# Altium PCB motherboard.PcbDoc (part 1 of 2)
Units mm, origin at the board's own origin, x right, y up, seen from the top; angles counter-clockwise.
Board outline 107.57 x 80.64 mm, 2 copper layers (Top Layer, Bottom Layer); 76 components, 68 nets, 352 pads, 475 vias.
Unrouted connection lines stored in the file: 17.
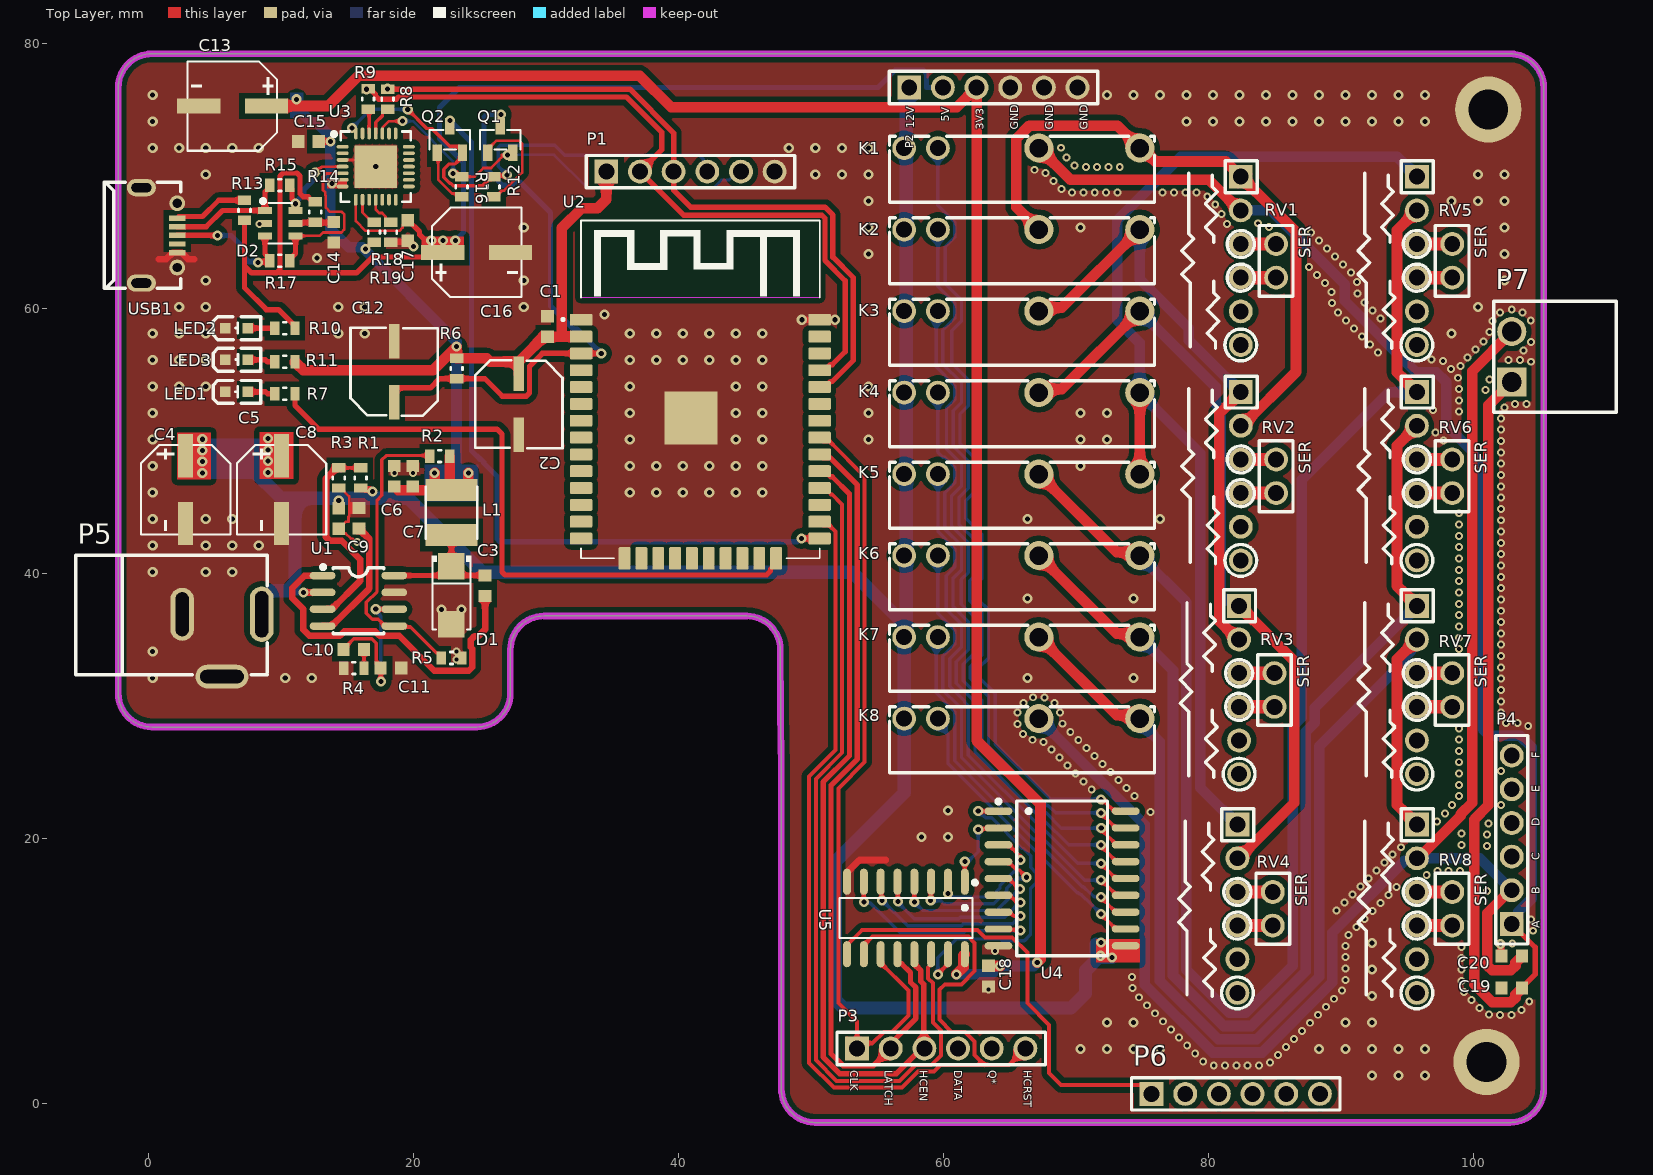
[diagram p0: Top Layer view]
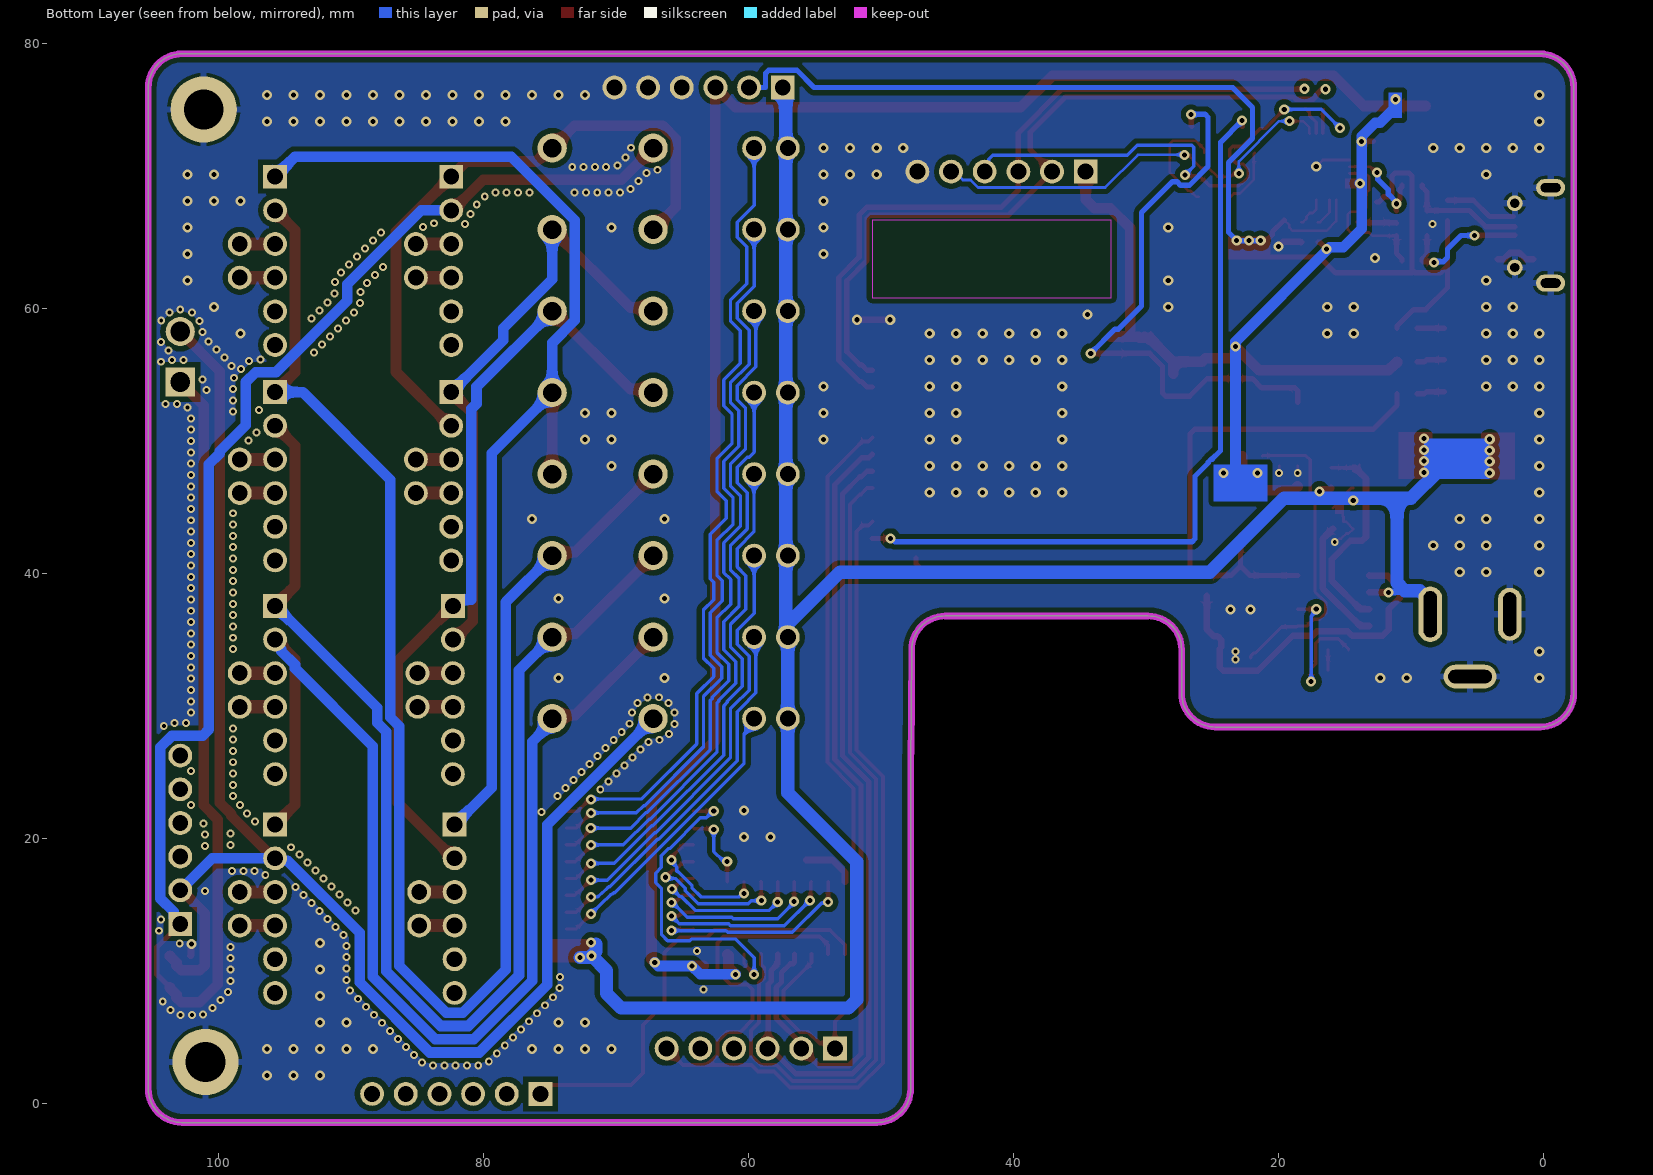
[diagram p1: Bottom Layer view, seen from below]

## Layer stack, top to bottom
Top Solder: solder mask 0.0102, Solder Resist, Dk 3.5
Top Layer: signal copper 0.0356
Dielectric 1: dielectric 0.32, FR-4, Dk 4.8
Bottom Layer: signal copper 0.0356
Bottom Solder: solder mask 0.0102, Solder Resist, Dk 3.5

## Board outline
37.211,36.83 45.135,36.83 cw(c45.135,34.29) 47.675,34.29 47.689,29.675 47.752,25.273 47.752,1.143 ccw(c50.292,1.143) 50.292,-1.397 102.743,-1.397 ccw(c102.743,1.143) 105.283,1.143 105.283,76.708 ccw(c102.743,76.708) 102.743,79.248 0.254,79.248 ccw(c0.254,76.708) -2.286,76.708 -2.286,30.988 ccw(c0.254,30.988) 0.254,28.448 13.843,28.448 24.765,28.448 ccw(c24.765,30.988) 27.305,30.988 27.305,34.29 cw(c29.845,34.29) 29.845,36.83

## Design rules (kind name [scope] priority, off if disabled: settings)
Clearance Clearance_1 [InPoly] p1: gap=0.4 ignorepadtopadclearanceinfootprint=FALSE
Clearance [All] p2: gap=0.2 ignorepadtopadclearanceinfootprint=FALSE
ComponentClearance [All] p1: gap=0.2 collisioncheckmode=3 verticalgap=0.2 showdistances=FALSE
HoleSize [All] p1: absolutevalues=TRUE maxlimit=5 minlimit=0.025 maxpercent=80.000 minpercent=20.000
MinimumSolderMaskSliver [All] p1: minsoldermaskwidth=0.1
PolygonConnect PolygonConnect_3 [All vs IsNamedPolygon('TOP_GND')] p1: connectstyle=Direct reliefconductorwidth=0.254 reliefentries=4 polygonreliefangle="90 Angle" airgapwidth=0.254
PolygonConnect PolygonConnect_2 [All vs IsNamedPolygon('TOP_GND')] p2: connectstyle=Relief reliefconductorwidth=0.254 reliefentries=4 polygonreliefangle="90 Angle" airgapwidth=0.254
PolygonConnect PolygonConnect_1 [All vs IsNamedPolygon('TOP_GND')] p3: connectstyle=Direct reliefconductorwidth=0.254 reliefentries=4 polygonreliefangle="90 Angle" airgapwidth=0.254
PolygonConnect PolygonConnect_Power [InComponent('P1')+InComponent('P2')+InComponent('Q3')+InComponent('Q4')+InComponent('P3')] p4: connectstyle=Direct reliefconductorwidth=0.254 reliefentries=4 polygonreliefangle="90 Angle" airgapwidth=0.254
PolygonConnect PolygonConnect_Via [(ObjectKind = 'Via')] p5: connectstyle=Direct reliefconductorwidth=0.254 reliefentries=4 polygonreliefangle="90 Angle" airgapwidth=0.254
PolygonConnect [All] p6: connectstyle=Relief reliefconductorwidth=0.5 reliefentries=4 polygonreliefangle="90 Angle" airgapwidth=0.254
RoutingVias [All] p1: holewidth=0.3 width=0.6 viastyle="Through Hole" minholewidth=0.3 minwidth=0.6 maxholewidth=5 maxwidth=7
SilkToSilkClearance [All] p1: silktosilkclearance=0.1
SilkToSolderMaskClearance [IsPad] p1: minsilkscreentomaskgap=0.1 clearancetoexposedcopper=TRUE
SolderMaskExpansion [All] p1: expansion=0.102 istentingtop=FALSE
Width [All] p1: maxlimit=2 minlimit=0.2 preferedwidth=0.3
25 further rules are at their usual default settings.

## Components (designator, comment, footprint, x,y, rotation, side; value= is the part's Value field where it differs from the comment)
C1 "100nF" CAP_0603 30.099,58.674 r90 top
C2 "22uF 63V" "CAP SMD 6.3X7.7" 27.94,52.818 r270 top
C3 "0.1uF" CAP_0603_3D 25.4,39.116 r270 top
C4 "4.7uF" CAP-SMD_BD6.3-L6.6-W6.6-LS7.2-R-RD -0.508,42.941 r270 top
C5 "22uF 63V" CAP-SMD_BD6.3-L6.6-W6.6-LS7.2-R-RD 6.731,42.941 r270 top
C6 "47uF" CAP_0603_3D 18.542,47.371 r90 top
C7 "47uF" CAP_0603_3D 19.939,47.371 r90 top
C8 "0.01uF" CAP_0603_3D 14.351,44.183 r270 top
C9 "0.1uF" CAP_0603_3D 15.875,44.196 r90 top
C10 "1000pF" CAP_0603_3D 15.481,34.29 r0 top
C11 "47pF" CAP_0603_3D 18.288,32.893 r0 top
C12 "22uF 63V" "CAP SMD 6.3X7.7" 18.542,55.245 r90 top
C13 "4.7uF" CAP-SMD_BD6.3-L6.6-W6.6-LS7.2-R-RD 2.906,78.613 r180 top
C14 "100nF" CAP_0603_3D 13.97,65.786 r270 top
C15 "100nF" CAP_0603_3D 12.065,72.644 r180 top
C16 "4.7uF" CAP-SMD_BD6.3-L6.6-W6.6-LS7.2-R-RD 28.179,60.96 r0 top
C17 "100nF" CAP_0603_3D 19.558,65.913 r270 top
C18 "100nF" CAP_0603 63.373,9.652 r270 top
C19 "100nF" CAP_0603 102.87,8.763 r180 top
C20 "100nF" CAP_0603 102.87,11.176 r180 top
D1 "B340A" SMA_L4.3-W2.6-LS5.2-RD 24.384,41.316 r270 top
D2 "USBLC6-2SC6_C2827654" SOT-23-6_L2.9-W1.6-P0.95-LS2.8-BL 8.792,65.064 r270 top
K1 "HF49FD-012-1H12" RELAY-TH_HF49FD-0XX-1H12 67.31,72.136 r0 top
K2 "HF49FD-012-1H12" RELAY-TH_HF49FD-0XX-1H12 67.31,65.986 r0 top
K3 "HF49FD-012-1H12" RELAY-TH_HF49FD-0XX-1H12 67.31,59.835 r0 top
K4 "HF49FD-012-1H12" RELAY-TH_HF49FD-0XX-1H12 67.31,53.685 r0 top
K5 "HF49FD-012-1H12" RELAY-TH_HF49FD-0XX-1H12 67.31,47.534 r0 top
K6 "HF49FD-012-1H12" RELAY-TH_HF49FD-0XX-1H12 67.31,41.384 r0 top
K7 "HF49FD-012-1H12" RELAY-TH_HF49FD-0XX-1H12 67.31,35.233 r0 top
K8 "HF49FD-012-1H12" RELAY-TH_HF49FD-0XX-1H12 67.31,29.083 r0 top
L1 "6.8mH" L_4018 22.86,44.626 r90 top
LED1 "BL-HJC36A-AV-TRB" LED0603-RD_ORANGE 8.42,52.849 r0 top
LED2 "BL-HJC36A-AV-TRB" LED0603-RD_ORANGE 8.42,57.658 r0 top
LED3 "BL-HJC36A-AV-TRB" LED0603-RD_ORANGE 8.422,55.272 r0 top
P1 "PROG" HDR1X6 33.278,69.519 r0 top
P2 "POWER" HDR1X6 56.138,75.869 r0 top
P3 "SHIFTREG" HDR1X6 52.201,3.352 r0 top
P4 "RESISTOR" HDR1X6 103.709,12.323 r90 top
P5 "DC-005-5A-2.0" DC-IN-TH_DC-005-5A-2.0 8.969,32.319 r0 top
P6 "REG_IO" HDR1X6 74.426,-0.077 r0 top
P7 "WJ15EDGRC-3.81-2P" CONN-TH_2P-P3.81_WJ15EDGRC-3.81-2P 101.981,52.451 r90 top
Q1 "SS8050" SOT-23-3_L2.9-W1.3-P1.90-LS2.4-BR 26.67,72.517 r270 top
Q2 "SS8050" SOT-23-3_L2.9-W1.3-P1.90-LS2.4-BR 22.86,72.517 r270 top
R1 "Res1" R0603 16.002,47.244 r90 top
R2 "Res1" R0603 21.971,48.895 r180 top
R3 "Res1" R0603 14.351,47.244 r270 top
R4 "Res1" R0603 15.494,32.893 r180 top
R5 "Res1" R0603 22.86,33.655 r0 top
R6 "Res1" R0603 23.241,55.499 r270 top
R7 "Res1" R0603 10.287,53.594 r0 top
R8 "Res1" R0603 18.035,75.824 r270 top
R9 "Res1" R0603 16.567,75.84 r270 top
R10 "Res1" R0603 10.287,58.547 r0 top
R11 "Res1" R0603 10.287,56.007 r0 top
R12 "Res1" R0603 26.035,69.215 r90 top
R13 "Res1" R0603 7.239,67.437 r90 top
R14 "Res1" R0603 12.573,67.31 r270 top
R15 "Res1" R0603 9.906,69.342 r0 top
R16 "Res1" R0603 23.622,69.215 r90 top
R17 "Res1" R0603 9.906,63.627 r0 top
R18 "Res1" R0603 17.018,65.786 r90 top
R19 "Res1" R0603 18.288,65.786 r90 top
RV1 "RV" RES_PLACEHOLDER 83.693,70.739 r90 top
RV2 "RV" RES_PLACEHOLDER 83.693,54.483 r90 top
RV3 "RV" RES_PLACEHOLDER 83.566,38.354 r90 top
RV4 "RV" RES_PLACEHOLDER 83.439,21.844 r90 top
RV5 "RV" RES_PLACEHOLDER 96.982,70.739 r90 top
RV6 "RV" RES_PLACEHOLDER 96.982,54.483 r90 top
RV7 "RV" RES_PLACEHOLDER 96.982,38.354 r90 top
RV8 "RV" RES_PLACEHOLDER 96.982,21.844 r90 top
U1 "TPS54331DR" SOIC-8_L5.0-W4.0-P1.27-LS6.0-BL 17.615,36.576 r270 top
U2 "ESP32" ESP32_WROOM 41.622,53.086 r0 top
U3 "CP2102-GMR" WQFN-28_L5.0-W5.0-P0.50-BL-EP3.2 14.732,68.199 r270 top
U4 "ULN2803ADWR" SOIC-18_L11.6-W7.5-P1.27-LS10.3-BL 69.189,13.081 r270 top
U5 "74HCT595D,118" SOIC-16_L9.9-W3.9-P1.27-LS6.0-BL 51.943,15.563 r180 top
USB1 "micro USBFemale" MICRO-USB-SMD_5P-P0.65-H-F_C10418 -2.888,61.638 r270 top

## Footprints (in the part's own frame and the unit in brackets; to place one, negate y for a bottom-side part, rotate by r counter-clockwise, add the part's x,y. Pads: shape width x height; smd on the part's side, far side on the other; paste and mask are expansions set on the pad)
"CAP SMD 6.3X7.7" [mm]
  rect 2.6x0.8 smd: 1(-2.3,0) 2(2.3,0)
  silkscreen extent -3.3,-3.28 3.33,3.3, body extent -3.42,-3.26 3.58,3.34, height 7.05
CAP-SMD_BD6.3-L6.6-W6.6-LS7.2-R-RD [mm]
  rect 3.26x1.15 smd: 1(-5.984,3.302) 2(-0.874,3.302)
  silkscreen extent -6.79,-0.07 -0.04,6.68, body extent -6.67,0 0.32,6.6, height 7.05
CAP_0603 [mm]
  rect 0.92x0.97 smd: 1(-0.775,0) 2(0.775,0)
  body extent -0.87,-0.44 0.87,0.51, height 0.87
CAP_0603_3D [mm]
  rect 0.92x0.97 smd: 1(-0.775,0) 2(0.775,0)
  body extent -0.8,-0.45 0.8,0.45, height 0.79
CONN-TH_2P-P3.81_WJ15EDGRC-3.81-2P [mm]
  rect 2.2x2.2 hole 1.5: 1(2.032,-0.889)
  round 2.2 hole 1.5: 2(5.842,-0.889)
  silkscreen extent -0.25,-8.77 8.13,0.46, body extent -0.32,-8.66 8.18,0.49, height 7.15
DC-IN-TH_DC-005-5A-2.0 [mm]
  oval 1.8x4.2 hole 1 slot 3.5 at 90 deg: 1(-0.429,4.638)
  oval 1.8x4 hole 1 slot 3.3 at 90 deg: 2(-6.429,4.638)
  oval 4x1.8 hole 1 slot 3.3 at 0 deg: 3(-3.429,-0.066)
  silkscreen extent -14.46,0.08 -0.03,9.09, body extent -14.44,-0.13 -0.04,9.17, height 11.02
ESP32_WROOM [mm]
  rrect22% 1.7x0.9 smd: 0(-8.983,6.096) 1(-8.983,4.826) 2(-8.983,3.556) 3(-8.983,2.286) 4(-8.983,1.016) 5(-8.983,-0.254) 6(-8.983,-1.524) 7(-8.983,-2.794) 8(-8.983,-4.064) 9(-8.983,-5.334) 10(-8.983,-6.604) 11(-8.983,-7.874) 12(-8.983,-9.144) 13(-8.983,-10.414) 24(9.017,-10.414) 25(9.017,-9.144) 26(9.017,-7.874) 27(9.017,-6.604) 28(9.017,-5.334) 29(9.017,-4.064) 30(9.017,-2.794) 31(9.017,-1.524) 32(9.017,-0.254) 33(9.017,1.016) 34(9.017,2.286) 35(9.017,3.556) 36(9.017,4.826) 37(9.017,6.096)
  rrect22% 0.9x1.7 smd: 14(-5.698,-11.914) 15(-4.428,-11.914) 16(-3.158,-11.914) 17(-1.888,-11.914) 18(-0.618,-11.914) 19(0.652,-11.914) 20(1.922,-11.914) 21(3.192,-11.914) 22(4.462,-11.914) 23(5.732,-11.914)
  rect 4x4 smd: 38(-0.683,-1.314)
  Keep-Out Layer region: 9.017,7.747 -9.007,7.747 -9.007,13.591 9.017,13.591
  Keep-Out Layer region: 9.017,7.747 -8.995,7.747 -8.995,13.591 9.017,13.591
  Keep-Out Layer region: 9.017,7.747 -9.009,7.747 -9.009,13.591 9.017,13.591
  silkscreen extent -10.45,-11.91 9.02,13.59, body extent -9,-11.94 9,13.56, height 3.27
HDR1X6 [mm]
  rect 1.8x1.8 hole 1.2: 1(1.266,0.839)
  round 1.8 hole 1.2: 2(3.806,0.839) 3(6.346,0.839) 4(8.886,0.839) 5(11.426,0.839) 6(13.966,0.839)
  silkscreen extent -0.25,-0.38 15.49,2.06, body extent 0.02,-0.47 15.26,2.07, height 8.44
L_4018 [mm]
  rect 1.65x3.95 smd: 1(-1.7,0) 2(1.7,0)
  silkscreen extent -1.95,-1.95 1.95,1.95
LED0603-RD_ORANGE [mm]
  rect 0.8x0.8 smd: 1(-2.629,0.889) 2(-0.927,0.889)
  silkscreen extent -3.54,0.03 0.04,1.75, body extent -2.57,0.49 -0.95,1.29, height 0.83
MICRO-USB-SMD_5P-P0.65-H-F_C10418 [mm]
  oval 1.3x2.2 hole 0.7 slot 1.5 at 90 deg: 0(-7.508,2.347) 0(-0.309,2.347)
  round 1.2 hole 0.7: 0(-6.334,5.047) 0(-1.484,5.047)
  rect 0.4x1.25 smd: 1(-5.209,5.047) 2(-4.559,5.047) 3(-3.909,5.047) 4(-3.259,5.047) 5(-2.609,5.047)
  silkscreen extent -7.91,-0.45 0.09,5.31, body extent -7.79,-0.51 0.17,6.19, height 2.61
R0603 [mil] "0603 Chip Resistor"
  rect 28x40 smd: 1(-30,0) 2(30,0)
  silkscreen extent -4,-18 4,18, body extent -32,-16 32,16, height 18
RELAY-TH_HF49FD-0XX-1H12 [mm]
  round 1.8 hole 1.2: 1(-10.287,0) 2(-7.747,0)
  round 2.2 hole 1.4: 3(-0.127,0) 4(7.493,0)
  silkscreen extent -11.4,-4.1 8.6,0.9, body extent -11.5,-4.1 8.5,0.9, height 12.05
RES_PLACEHOLDER [mm]
  rect 1.8x1.8 hole 1.2: 1(-0.762,1.27)
  round 1.8 hole 1.2: 2(-3.302,1.27) 3(-5.842,-1.397) 3(-5.842,1.27) 4(-8.382,-1.397) 4(-8.382,1.27) 5(-10.922,1.27) 6(-13.462,1.27)
  Top Layer lines w1: -8.382,1.27 -8.382,-1.397 ; -5.842,1.27 -5.842,-1.397
  silkscreen extent -14.66,-2.67 0.45,5.71, body extent -14.73,-2.67 0.51,2.54, height 9.5
SMA_L4.3-W2.6-LS5.2-RD [mm]
  rect 2x2 smd: 1(0.721,-1.524) 2(5.121,-1.524)
  silkscreen extent -0.06,-3.03 5.52,-0.02, body extent 0.59,-2.8 5.29,-0.2, height 2.12
SOIC-8_L5.0-W4.0-P1.27-LS6.0-BL [mil]
  oval 22.38x76.78 smd: 1(-130,-176.5) 2(-80,-176.5) 3(-30,-176.5) 4(20,-176.5) 5(20,36.5) 6(-30,36.5) 7(-80,36.5) 8(-130,36.5)
  silkscreen extent -161,-181 43,5, body extent -150,-188 40,48, height 68
SOIC-16_L9.9-W3.9-P1.27-LS6.0-BL [mil]
  oval 23.7x77.6 smd: 1(-380,-47.7) 2(-330,-47.7) 3(-280,-47.7) 4(-230,-47.7) 5(-180,-47.7) 6(-130,-47.7) 7(-80,-47.7) 8(-30,-47.7) 9(-30,167.7) 10(-80,167.7) 11(-130,167.7) 12(-180,167.7) 13(-230,167.7) 14(-280,167.7) 15(-330,167.7) 16(-380,167.7)
  silkscreen extent -416,-51 -7,120, body extent -400,-61 -10,176, height 76
SOIC-18_L11.6-W7.5-P1.27-LS10.3-BL [mm]
  oval 0.56x2.1 smd: 1(-9.017,-5.054) 2(-7.747,-5.054) 3(-6.477,-5.054) 4(-5.207,-5.054) 5(-3.937,-5.054) 6(-2.667,-5.054) 7(-1.397,-5.054) 8(-0.127,-5.054) 9(1.143,-5.054) 10(1.143,4.546) 11(-0.127,4.546) 12(-1.397,4.546) 13(-2.667,4.546) 14(-3.937,4.546) 15(-5.207,4.546) 16(-6.477,4.546) 17(-7.747,4.546) 18(-9.017,4.546)
  silkscreen extent -9.9,-5.2 1.91,3.18, body extent -9.74,-5.33 1.86,5.08, height 2.89
SOT-23-3_L2.9-W1.3-P1.90-LS2.4-BR [mm]
  rect 1.25x0.7 smd: 1(0.746,-1.077) 2(0.746,0.823) 3(-1.254,-0.127)
  silkscreen extent -0.98,-1.65 0.47,1.4, body extent -1.43,-1.58 1.07,1.31, height 1.06
SOT-23-6_L2.9-W1.6-P0.95-LS2.8-BL [mil]
  rect 20.95x42.2 smd: 1(-92.4,-0.24) 2(-55,-0.24) 3(-17.6,-0.24) 4(-17.6,90.24) 5(-55,90.24) 6(-92.4,90.24)
  silkscreen extent -127,-12 6,80, body extent -112,-11 1,99, height 65
WQFN-28_L5.0-W5.0-P0.50-BL-EP3.2 [mm]
  oval 0.28x0.9 smd: 1(-4.041,-0.087) 2(-3.541,-0.087) 3(-3.041,-0.087) 4(-2.54,-0.087) 5(-2.04,-0.087) 6(-1.539,-0.087) 7(-1.039,-0.087) 15(-1.039,4.913) 16(-1.539,4.913) 17(-2.04,4.913) 18(-2.54,4.913) 19(-3.041,4.913) 20(-3.541,4.913) 21(-4.041,4.913)
  oval 0.9x0.28 smd: 8(-0.04,0.912) 9(-0.04,1.412) 10(-0.04,1.913) 11(-0.04,2.413) 12(-0.04,2.913) 13(-0.04,3.414) 14(-0.04,3.914) 22(-5.04,3.914) 23(-5.04,3.414) 24(-5.04,2.913) 25(-5.04,2.413) 26(-5.04,1.913) 27(-5.04,1.412) 28(-5.04,0.912)
  rect 3.2x3.2 smd: 29(-2.54,2.413)
  silkscreen extent -5.19,-0.89 0.11,5.06, body extent -5.06,-0.08 -0.04,4.94, height 1.02

## Part data
C1 C18 C19 C20: library part "CAP - CER 0.1UF 25V X7R 0805", "CAP CER 0.1UF 50V X7R 0603", Case/Package=0603, Manufacturer="FH(Guangdong Fenghua Advanced Tech)", Manufacturer Part Number=0603F104M500NT, Supplier Part Number 1=C42998, Voltage=50V, Capacitance=100nF, Depth=0.8mm, Height=0.8mm, Length=1.6mm, Pricing 1="1=0,10000, 10=0,04400, 50=0,02420, 100=0,01980, 500=0,01412, 1000=0,01110 (USD)", Supplier 1=JLCPCB, Thickness=0.035inch, Voltage Rating=50V, Width=0.031inch
C2: library part "CAP POL SMD", "CAP ALUM 22UF 20% 25V SMD", Capacitance=10uF, Case/Package=SMD/SMT, Dielectric Material=Aluminium, Leakage Current=3uA, Manufacturer=Nichicon, Manufacturer Part Number=UWX1E220MCL1GB, Max Operating Temperature=85°C, Min Operating Temperature=-40°C, Package Quantity=1000, Ripple Current=42mA, Supplier Part Number 1=493-2109-1-ND, Tolerance=20%, Voltage=25V, Voltage Rating=?V, Category="Aluminum Electrolytic Capacitors", ComponentLink1Description=https://datasheet.ciiva.com/96/e-wx-96336.pdf?src-supplier=Digi-Key, ComponentLink1URL=https://datasheet.ciiva.com/96/e-wx-96336.pdf?src-supplier=Digi-Key, ComponentLink2Description=https://datasheet.ciiva.com/16352/e-wx-16352999.pdf?src-supplier=Future+Electronics, ComponentLink2URL=https://datasheet.ciiva.com/16352/e-wx-16352999.pdf?src-supplier=Future+Electronics, ComponentLink3Description=https://datasheet.ciiva.com/28640/e-wx-28640455.pdf?src-supplier=Element14, ComponentLink3URL=https://datasheet.ciiva.com/28640/e-wx-28640455.pdf?src-supplier=Element14, ComponentLink4Description=https://datasheet.ciiva.com/17529/e-wx-17529096.pdf?src-supplier=Avnet+Europe, ComponentLink4URL=https://datasheet.ciiva.com/17529/e-wx-17529096.pdf?src-supplier=Avnet+Europe, ComponentLink5Description=https://datasheet.ciiva.com/7851/59577-7851769.pdf?src-supplier=Element14, ComponentLink5URL=https://datasheet.ciiva.com/7851/59577-7851769.pdf?src-supplier=Element14, ComponentLink6Description=https://datasheet.ciiva.com/11687/e-wx-11687963.pdf?src-supplier=Avnet, ComponentLink6URL=https://datasheet.ciiva.com/11687/e-wx-11687963.pdf?src-supplier=Avnet, ComponentLink7Description=https://datasheet.ciiva.com/96/e-wx-96334.pdf?src-supplier=Digi-Key, ComponentLink7URL=https://datasheet.ciiva.com/96/e-wx-96334.pdf?src-supplier=Digi-Key, ComponentLink8Description=https://datasheet.ciiva.com/5361/e-wx-11809-5361166.pdf?src-supplier=Mouser, ComponentLink8URL=https://datasheet.ciiva.com/5361/e-wx-11809-5361166.pdf?src-supplier=Mouser, ComponentLink9Description=https://datasheet.ciiva.com/96/e-wx-96335.pdf?src-supplier=Digi-Key, ComponentLink9URL=https://datasheet.ciiva.com/96/e-wx-96335.pdf?src-supplier=Digi-Key, Construction=Cylindrical, Contact Plating=Tin, Diameter=6.3mm, Dissipation Factor=0.14%, Height=5.4mm, Height - Seated (Max)=0.213inch, Lead Free="Lead Free", Lead Pitch=2.2mm, Length=5.4mm, Life (Hours)=2000Hour, Mount="Surface Mount", Packaging="Tape and Reel", Polarity=Polar, Pricing 1="1=0,36000, 10=0,25200, 50=0,17620, 100=0,15110, 500=0,11334 (USD)", Radiation Hardening=No, REACH SVHC="No SVHC", Ripple Current (AC)=42mA, RoHS=Yes, RoHS Compliant=Yes, Series=WX, Stock 1=5009, Supplier 1=Digi-Key, Termination=SMD/SMT, Voltage Rating (DC)=25V, Weight=0.01lb, Width=0.25inch
C3 C6 C7 C8 C9 C10 C11 C14 C15 C17: library part "Cap 22pF", "CAP CER 0.1uF 50V C0G/NPO 0603", Capacitance=22pF, Manufacturer=Yageo, Manufacturer Part Number=CC0603JRNPO9BN220, Operating Temperature="-55°C ~ 125°C", Package / Case="0603 (1608 Metric)", Ratings=-, Standard Package=1, Supplier Part Number 1=603-CC603JRNPO9BN220, Temperature Coefficient="C0G, NP0", Tolerance=±5%, Voltage - Rated=50V, Applications="General Purpose", Category=Capacitors, ComponentLink1Description=http://www.farnell.com/datasheets/2213336.pdf?src-supplier=Element14, ComponentLink1URL=http://www.farnell.com/datasheets/2213336.pdf?src-supplier=Element14, ComponentLink2Description=http://www.yageo.com/documents/recent/UPY-GP_NP0_16V-to-50V_16.pdf?src-supplier=Digi-Key, ComponentLink2URL=http://www.yageo.com/documents/recent/UPY-GP_NP0_16V-to-50V_16.pdf?src-supplier=Digi-Key, ComponentLink3Description=http://www.farnell.com/datasheets/1443161.pdf?src-supplier=Element14, ComponentLink3URL=http://www.farnell.com/datasheets/1443161.pdf?src-supplier=Element14, ComponentLink4Description=http://www.yageo.com/documents/recent/UPY-GP_NP0_16V-to-50V_8.pdf?src-supplier=Avnet, ComponentLink4URL=http://www.yageo.com/documents/recent/UPY-GP_NP0_16V-to-50V_8.pdf?src-supplier=Avnet, ComponentLink5Description=http://www.yageo.com/documents/recent/UPY-GP_NP0_16V-to-50V_8.pdf?src-supplier=Avnet+Europe, ComponentLink5URL=http://www.yageo.com/documents/recent/UPY-GP_NP0_16V-to-50V_8.pdf?src-supplier=Avnet+Europe, Family="Ceramic Capacitors", Featured Product="Commodity Multilayer Ceramic Capacitors – CC Series", Features=-, Height - Seated (Max)=-, Lead Spacing=-, Lead Style=-, Mounting Type="Surface Mount, MLCC", Online Catalog="CC Series", Other Names="311-1062-6 311-1280-6 311-1280-6-ND", Packaging=Digi-Reel®, Pricing 1="1=0.1, 10=0.041, 100=0.014, 1000=0.011, 4000=0.008, 8000=0.007 (USD)", Product Training Modules="Multilayer Ceramic Capacitors", Series=CC, Size / Dimension="0.063\" L x 0.031\" W (1.60mm x 0.80mm)", Stock 1=92315, Supplier 1=Mouser, Thickness (Max)="0.035\" (0.90mm)"
C4: library part "CAP POL SMD", "CAP ALUM 22UF 20% 25V SMD", Case/Package=SMD/SMT, Dielectric Material=Aluminium, Leakage Current=3uA, Manufacturer=Nichicon, Manufacturer Part Number=UWX1E220MCL1GB, Max Operating Temperature=85°C, Min Operating Temperature=-40°C, Package Quantity=1000, Ripple Current=42mA, Supplier Part Number 1=493-2109-1-ND, Tolerance=20%, Voltage=25V, Capacitance=4.7uF, Category="Aluminum Electrolytic Capacitors", ComponentLink1Description=https://datasheet.ciiva.com/96/e-wx-96336.pdf?src-supplier=Digi-Key, ComponentLink1URL=https://datasheet.ciiva.com/96/e-wx-96336.pdf?src-supplier=Digi-Key, ComponentLink2Description=https://datasheet.ciiva.com/16352/e-wx-16352999.pdf?src-supplier=Future+Electronics, ComponentLink2URL=https://datasheet.ciiva.com/16352/e-wx-16352999.pdf?src-supplier=Future+Electronics, ComponentLink3Description=https://datasheet.ciiva.com/28640/e-wx-28640455.pdf?src-supplier=Element14, ComponentLink3URL=https://datasheet.ciiva.com/28640/e-wx-28640455.pdf?src-supplier=Element14, ComponentLink4Description=https://datasheet.ciiva.com/17529/e-wx-17529096.pdf?src-supplier=Avnet+Europe, ComponentLink4URL=https://datasheet.ciiva.com/17529/e-wx-17529096.pdf?src-supplier=Avnet+Europe, ComponentLink5Description=https://datasheet.ciiva.com/7851/59577-7851769.pdf?src-supplier=Element14, ComponentLink5URL=https://datasheet.ciiva.com/7851/59577-7851769.pdf?src-supplier=Element14, ComponentLink6Description=https://datasheet.ciiva.com/11687/e-wx-11687963.pdf?src-supplier=Avnet, ComponentLink6URL=https://datasheet.ciiva.com/11687/e-wx-11687963.pdf?src-supplier=Avnet, ComponentLink7Description=https://datasheet.ciiva.com/96/e-wx-96334.pdf?src-supplier=Digi-Key, ComponentLink7URL=https://datasheet.ciiva.com/96/e-wx-96334.pdf?src-supplier=Digi-Key, ComponentLink8Description=https://datasheet.ciiva.com/5361/e-wx-11809-5361166.pdf?src-supplier=Mouser, ComponentLink8URL=https://datasheet.ciiva.com/5361/e-wx-11809-5361166.pdf?src-supplier=Mouser, ComponentLink9Description=https://datasheet.ciiva.com/96/e-wx-96335.pdf?src-supplier=Digi-Key, ComponentLink9URL=https://datasheet.ciiva.com/96/e-wx-96335.pdf?src-supplier=Digi-Key, Construction=Cylindrical, Contact Plating=Tin, Diameter=6.3mm, Dissipation Factor=0.14%, Height=5.4mm, Height - Seated (Max)=0.213inch, Lead Free="Lead Free", Lead Pitch=2.2mm, Length=5.4mm, Life (Hours)=2000Hour, Mount="Surface Mount", Packaging="Tape and Reel", Polarity=Polar, Pricing 1="1=0,36000, 10=0,25200, 50=0,17620, 100=0,15110, 500=0,11334 (USD)", Radiation Hardening=No, REACH SVHC="No SVHC", Ripple Current (AC)=42mA, RoHS=Yes, RoHS Compliant=Yes, Series=WX, Stock 1=5009, Supplier 1=Digi-Key, Termination=SMD/SMT, Voltage Rating (DC)=25V, Weight=0.01lb, Width=0.25inch
C5: library part "CAP POL SMD", "CAP ALUM 22UF 20% 25V SMD", Capacitance=4.7uF, Case/Package=SMD/SMT, Dielectric Material=Aluminium, Leakage Current=3uA, Manufacturer=Nichicon, Manufacturer Part Number=UWX1E220MCL1GB, Max Operating Temperature=85°C, Min Operating Temperature=-40°C, Package Quantity=1000, Ripple Current=42mA, Supplier Part Number 1=493-2109-1-ND, Tolerance=20%, Voltage=25V, Category="Aluminum Electrolytic Capacitors", ComponentLink1Description=https://datasheet.ciiva.com/96/e-wx-96336.pdf?src-supplier=Digi-Key, ComponentLink1URL=https://datasheet.ciiva.com/96/e-wx-96336.pdf?src-supplier=Digi-Key, ComponentLink2Description=https://datasheet.ciiva.com/16352/e-wx-16352999.pdf?src-supplier=Future+Electronics, ComponentLink2URL=https://datasheet.ciiva.com/16352/e-wx-16352999.pdf?src-supplier=Future+Electronics, ComponentLink3Description=https://datasheet.ciiva.com/28640/e-wx-28640455.pdf?src-supplier=Element14, ComponentLink3URL=https://datasheet.ciiva.com/28640/e-wx-28640455.pdf?src-supplier=Element14, ComponentLink4Description=https://datasheet.ciiva.com/17529/e-wx-17529096.pdf?src-supplier=Avnet+Europe, ComponentLink4URL=https://datasheet.ciiva.com/17529/e-wx-17529096.pdf?src-supplier=Avnet+Europe, ComponentLink5Description=https://datasheet.ciiva.com/7851/59577-7851769.pdf?src-supplier=Element14, ComponentLink5URL=https://datasheet.ciiva.com/7851/59577-7851769.pdf?src-supplier=Element14, ComponentLink6Description=https://datasheet.ciiva.com/11687/e-wx-11687963.pdf?src-supplier=Avnet, ComponentLink6URL=https://datasheet.ciiva.com/11687/e-wx-11687963.pdf?src-supplier=Avnet, ComponentLink7Description=https://datasheet.ciiva.com/96/e-wx-96334.pdf?src-supplier=Digi-Key, ComponentLink7URL=https://datasheet.ciiva.com/96/e-wx-96334.pdf?src-supplier=Digi-Key, ComponentLink8Description=https://datasheet.ciiva.com/5361/e-wx-11809-5361166.pdf?src-supplier=Mouser, ComponentLink8URL=https://datasheet.ciiva.com/5361/e-wx-11809-5361166.pdf?src-supplier=Mouser, ComponentLink9Description=https://datasheet.ciiva.com/96/e-wx-96335.pdf?src-supplier=Digi-Key, ComponentLink9URL=https://datasheet.ciiva.com/96/e-wx-96335.pdf?src-supplier=Digi-Key, Construction=Cylindrical, Contact Plating=Tin, Diameter=6.3mm, Dissipation Factor=0.14%, Height=5.4mm, Height - Seated (Max)=0.213inch, Lead Free="Lead Free", Lead Pitch=2.2mm, Length=5.4mm, Life (Hours)=2000Hour, Mount="Surface Mount", Packaging="Tape and Reel", Polarity=Polar, Pricing 1="1=0,36000, 10=0,25200, 50=0,17620, 100=0,15110, 500=0,11334 (USD)", Radiation Hardening=No, REACH SVHC="No SVHC", Ripple Current (AC)=42mA, RoHS=Yes, RoHS Compliant=Yes, Series=WX, Stock 1=5009, Supplier 1=Digi-Key, Termination=SMD/SMT, Voltage Rating (DC)=25V, Weight=0.01lb, Width=0.25inch